# KiCad board AmigaPCI Mainboard.kicad_pcb (continued)
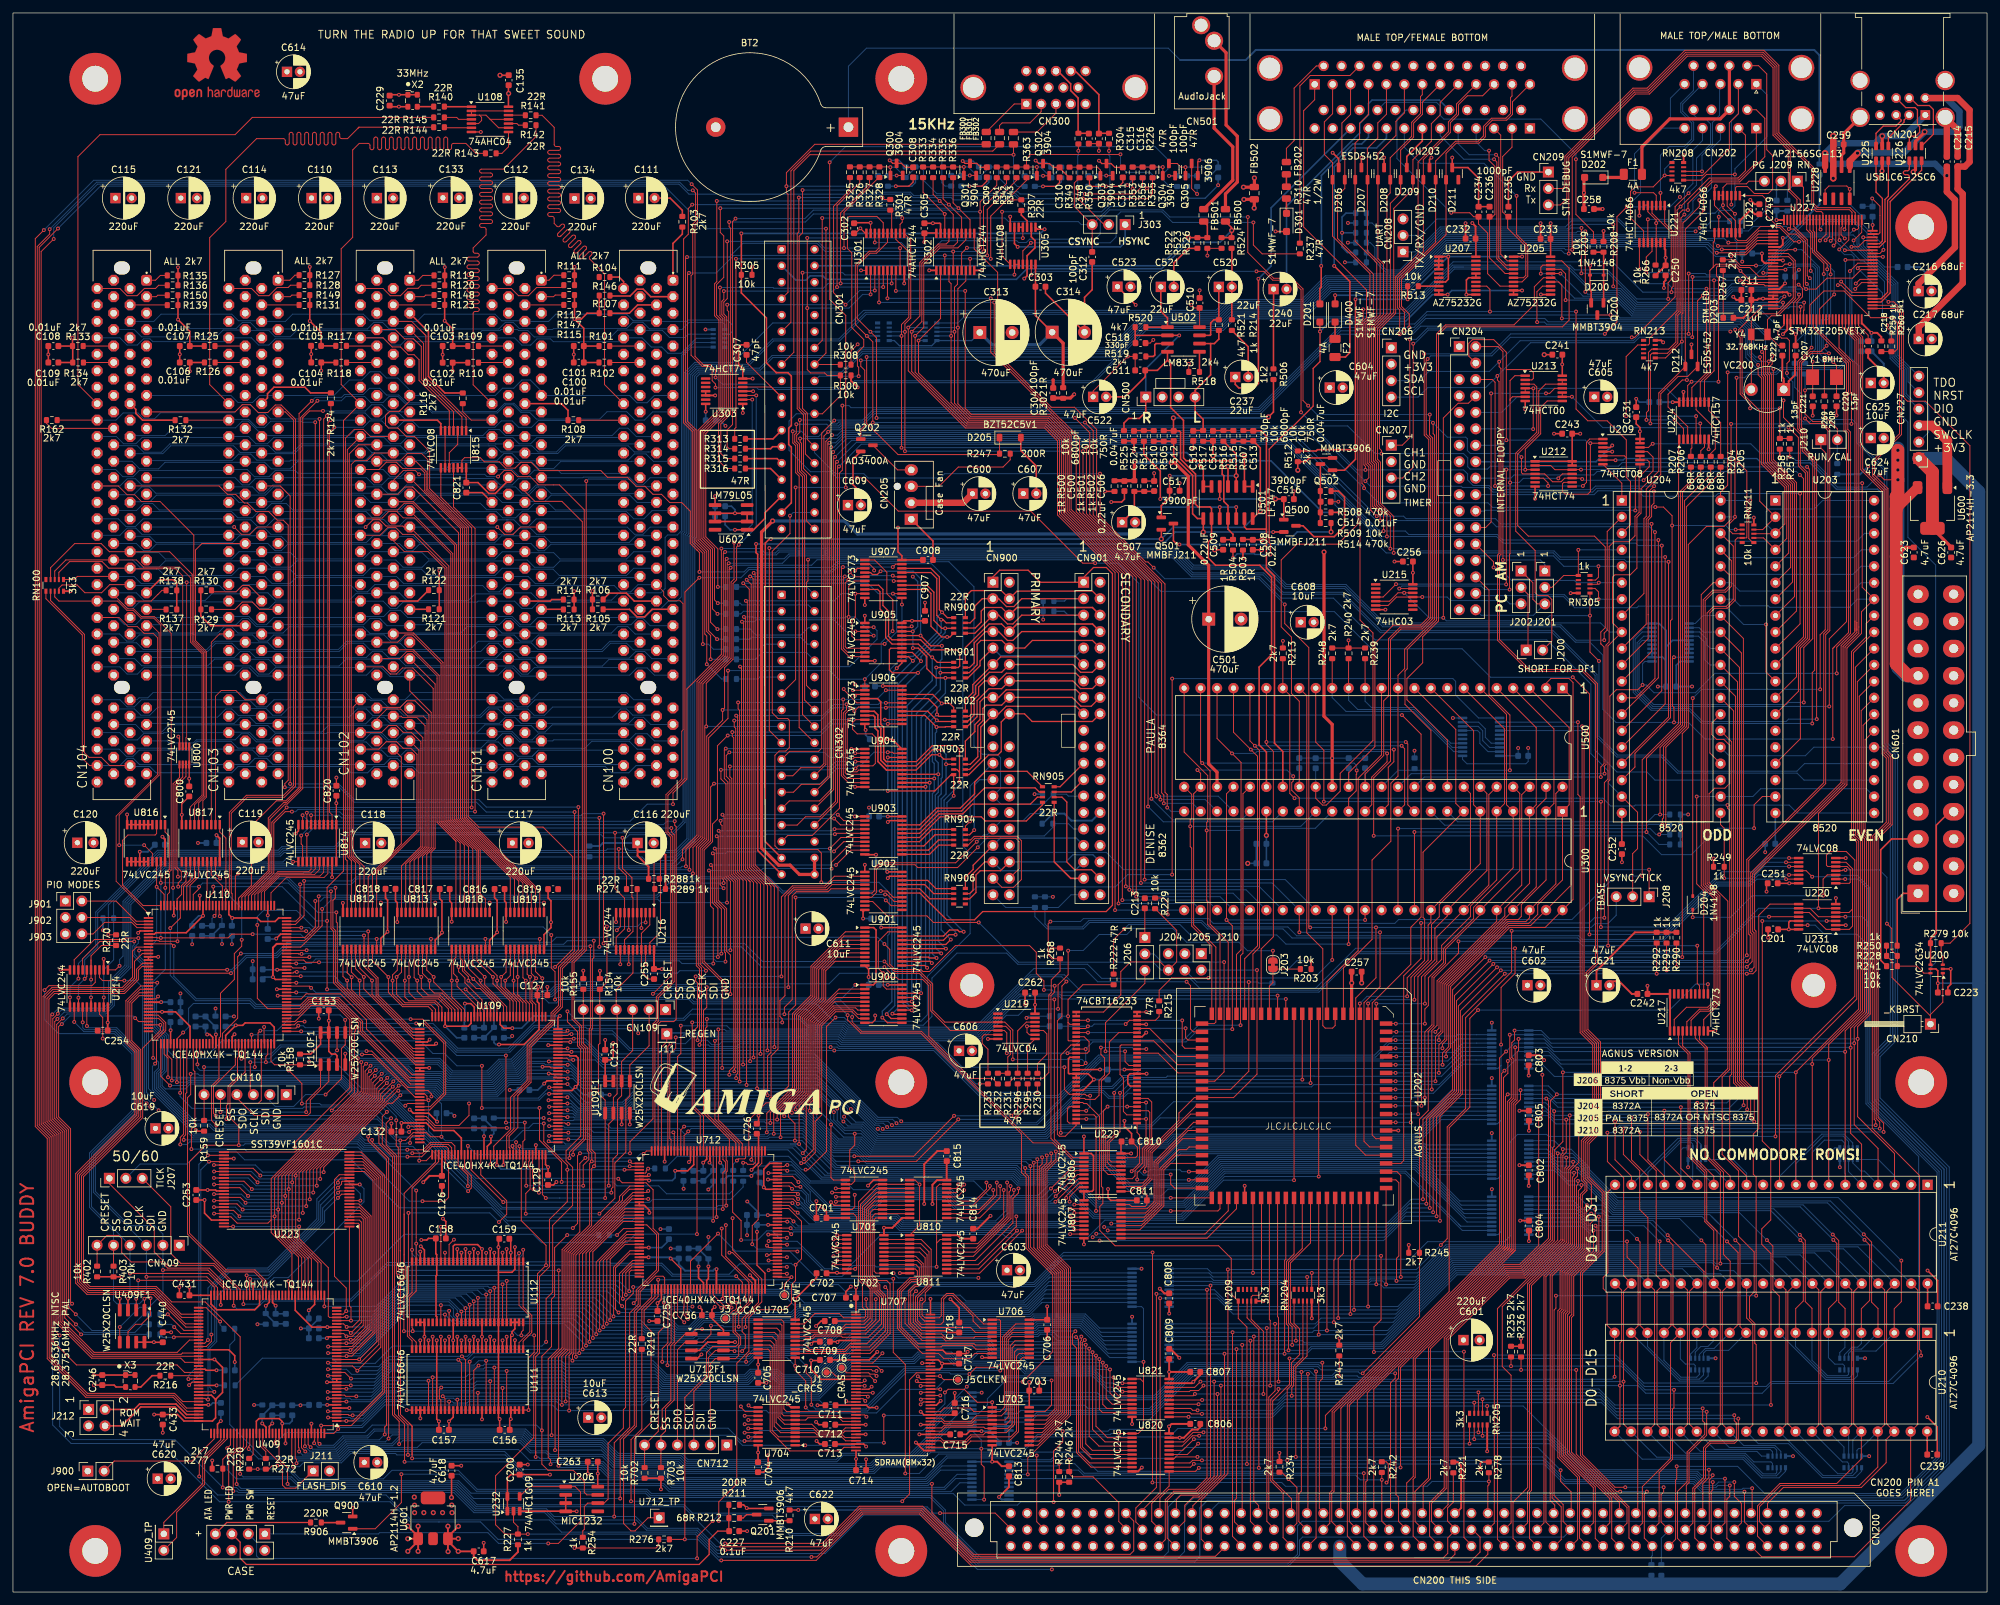
[diagram p0: board, top side]
## Placement (name value [footprint] x y rotation side) (continued)
FB301  80R  [C_0805_2012Metric]  152.33 224.51 270 top
FB302  80R  [C_0805_2012Metric]  154.48 224.5 270 top
FB500  80R  [C_0805_2012Metric]  187.21 212.59 90 top
FB501  80R  [C_0805_2012Metric]  183.86 212.59 90 top
FB502  80R  [C_0805_2012Metric]  191.66 216.01 90 top
G***  LOGO  [Mug]  101.4 78.26 0 top
G***#2  LOGO  [AmigaPCILogo]  117.41 75.66 0 top
G***#3  LOGO  [Agnus_Jumper1]  255.31 74.22 0 top
G***#4  LOGO  [Agnus_Jumper2]  250.28 79.96 0 top
H1  MountingHole_Pad  [MountingHole_4mm_Pad]  12.7 233.68 0 top
H2  MountingHole_Pad  [MountingHole_4mm_Pad]  91.44 233.68 0 top
H3  MountingHole_Pad  [MountingHole_4mm_Pad]  137.16 233.68 0 top
H4  MountingHole_Pad  [MountingHole_4mm_Pad]  294.64 210.82 0 top
H5  MountingHole_Pad  [MountingHole_4mm_Pad]  12.7 78.74 0 top
H6  MountingHole_Pad  [MountingHole_4mm_Pad]  137.16 78.74 0 top
H7  MountingHole_Pad  [MountingHole_4mm_Pad]  294.64 78.74 0 top
H8  MountingHole_Pad  [MountingHole_4mm_Pad]  12.7 6.35 0 top
H9  MountingHole_Pad  [MountingHole_4mm_Pad]  137.16 6.35 0 top
H10  MountingHole_Pad  [MountingHole_4mm_Pad]  294.64 6.35 0 top
H11  MountingHole_Pad  [MountingHole_3.5mm_Pad]  148.02 93.69 0 top
H12  MountingHole_Pad  [MountingHole_3.5mm_Pad]  278.02 93.69 0 top
J1  _CRCS  [TestPoint_Pad_D1.0mm]  125.62 33.92 0 top
J3  _CCAS  [TestPoint_Pad_D1.0mm]  109.99 42.26 0 top
J4  _CWE  [TestPoint_Pad_D1.0mm]  119.11 45.84 0 top
J5  CLKEN  [TestPoint_Pad_D1.0mm]  145.9 32.8 0 top
J6  _CRAS  [TestPoint_Pad_D1.0mm]  127.94 34.64 0 top
J11  _REGEN  [PinHeader_1x01_P2.54mm_Vertical]  100.95 86.19 0 top
J200  SHORT FOR DF1  [PinHeader_1x02_P2.54mm_Vertical]  233.65 145.45 90 top
J201  1-2 AMIGA DRIVES/2-3 PC DRIVES  [PinHeader_1x03_P2.54mm_Vertical]  236.52 157.67 0 top
J202  1-2 AMIGA DRIVES/2-3 PC DRIVES  [PinHeader_1x03_P2.54mm_Vertical]  232.85 157.67 0 top
J203  RAMEN  [SolderJumper-2_P1.3mm_Bridged_RoundedPad1.0x1.5mm]  194.54 96.86 270 top
J206  CLK/VBB  [PinHeader_1x03_P2.54mm_Vertical]  174.77 101.08 0 top
J207  TICK  [PinHeader_1x03_P2.54mm_Vertical]  14.89 63.89 90 top
J208  TBASE  [PinHeader_1x03_P2.54mm_Vertical]  252.62 107.37 270 top
J209  NRM/PRG  [PinHeader_1x03_P2.54mm_Vertical]  275.51 217.86 270 top
J210  RUN/CAL  [PinHeader_1x02_P2.54mm_Vertical]  279.15 177.95 90 top
J211  FLASH_DIS  [PinHeader_2x01_P2.54mm_Vertical]  46.35 18.7 0 top
J212  ROM WAIT  [PinHeader_2x02_P2.54mm_Vertical]  11.68 28.2 0 top
J303  HSYNC/COMPSYNC  [PinHeader_1x03_P2.54mm_Vertical]  171.72 211.16 270 top
J409_TP0  U409_TP  [PinHeader_2x01_P2.54mm_Vertical]  23.29 8.98 270 top
J712_TP0  U712_TP  [PinHeader_1x01_P2.54mm_Vertical]  99.77 11.47 0 top
J900  AUTOBOOT  [PinHeader_2x01_P2.54mm_Vertical]  11.55 18.68 0 top
JATA1  PIO MODES  [PinHeader_2x03_P2.54mm_Vertical]  8.1 106.71 0 top
Q200  MMBT3904  [SOT-23]  244.62 198.14 270 top
Q201  MMBT3906  [SOT-23]  115.77 11.96 180 top
Q202  AO3400A  [SOT-23]  131.84 177.08 0 top
Q300  MMBT3904  [SOT-23]  136.44 219.69 90 top
Q301  MMBT3904  [SOT-23]  147.77 219.67 90 top
Q302  MMBT3904  [SOT-23]  159.05 219.64 90 top
Q303  MMBT3904  [SOT-23]  168.85 219.65 90 top
Q304  MMBT3904  [SOT-23]  178.49 219.65 90 top
Q305  MMBT3906  [SOT-23]  181.99 219.65 90 top
Q500  MMBFJ211  [SOT-23]  197.16 164.64 0 top
Q501  MMBFJ211  [SOT-23]  178.24 164.99 0 top
Q502  MMBT3906  [SOT-23]  202.81 174.18 180 top
Q900  MMBT3906  [SOT-23]  51.52 10.72 180 top
R101  2k7  [R_0603_1608Metric]  91.31 192.41 180 top
R102  2k7  [R_0603_1608Metric]  91.31 189.86 180 top
R103  2k7  [R_0603_1608Metric]  103.35 211.6 90 top
R104  2k7  [R_0603_1608Metric]  91.34 203.06 0 top
R105  2k7  [R_0603_1608Metric]  90.3 151.75 0 top
R106  2k7  [R_0603_1608Metric]  90.3 153.28 0 top
R107  2k7  [R_0603_1608Metric]  91.35 197.48 0 top
R108  2k7  [R_0603_1608Metric]  86.53 180.96 180 top
R109  2k7  [R_0603_1608Metric]  71.06 192.41 180 top
R110  2k7  [R_0603_1608Metric]  71.06 189.84 180 top
R111  2k7  [R_0603_1608Metric]  85.88 203.34 0 top
R112  2k7  [R_0603_1608Metric]  85.88 201.81 180 top
R113  2k7  [R_0603_1608Metric]  85.81 151.73 180 top
R114  2k7  [R_0603_1608Metric]  85.81 153.26 180 top
R115  2k7  [R_0603_1608Metric]  85.88 198.75 180 top
R116  2k7  [R_0603_1608Metric]  69.45 184.33 90 top
R117  2k7  [R_0603_1608Metric]  50.66 192.43 180 top
R118  2k7  [R_0603_1608Metric]  50.69 189.85 180 top
R119  2k7  [R_0603_1608Metric]  65.84 203.31 0 top
R120  2k7  [R_0603_1608Metric]  65.84 201.79 180 top
R121  2k7  [R_0603_1608Metric]  65 151.76 180 top
R122  2k7  [R_0603_1608Metric]  65 154.71 180 top
R123  2k7  [R_0603_1608Metric]  65.84 198.75 180 top
R124  2k7  [R_0603_1608Metric]  49.09 184.34 90 top
R125  2k7  [R_0603_1608Metric]  30.37 192.41 180 top
R126  2k7  [R_0603_1608Metric]  30.39 189.86 180 top
R127  2k7  [R_0603_1608Metric]  45 203.35 0 top
R128  2k7  [R_0603_1608Metric]  45 201.8 180 top
R129  2k7  [R_0603_1608Metric]  29.84 151.74 0 top
R130  2k7  [R_0603_1608Metric]  29.84 154.69 0 top
R131  2k7  [R_0603_1608Metric]  45 198.74 180 top
R132  2k7  [R_0603_1608Metric]  25.87 180.96 180 top
R133  2k7  [R_0603_1608Metric]  10.02 192.41 180 top
R134  2k7  [R_0603_1608Metric]  10.06 189.86 180 top
R135  2k7  [R_0603_1608Metric]  24.66 203.31 0 top
R136  2k7  [R_0603_1608Metric]  24.66 201.79 180 top
R137  2k7  [R_0603_1608Metric]  24.47 151.73 180 top
R138  2k7  [R_0603_1608Metric]  24.47 154.68 180 top
R139  2k7  [R_0603_1608Metric]  24.66 198.72 180 top
R140  22R  [R_0603_1608Metric]  65.78 229.38 180 top
R141  22R  [R_0603_1608Metric]  79.94 228.04 180 top
R142  22R  [R_0603_1608Metric]  79.94 226.51 180 top
R143  22R  [R_0603_1608Metric]  73.78 222.16 0 top
R144  22R  [R_0603_1608Metric]  65.78 226.2 0 top
R145  22R  [R_0603_1608Metric]  65.78 227.71 0 top
R146  2k7  [R_0603_1608Metric]  91.35 200.2 0 top
R147  2k7  [R_0603_1608Metric]  85.88 200.28 180 top
R148  2k7  [R_0603_1608Metric]  65.84 200.27 180 top
R149  2k7  [R_0603_1608Metric]  45 200.27 180 top
R150  2k7  [R_0603_1608Metric]  24.66 200.25 180 top
R154  10k  [R_0603_1608Metric]  90.62 93.91 270 top
R155  10k  [R_0603_1608Metric]  88.06 93.91 270 top
R156  100R  [R_0603_1608Metric]  74.27 86.36 270 bottom
R157  100R  [R_0603_1608Metric]  74.24 72.37 90 bottom
R158  10k  [R_0603_1608Metric]  44.32 82.24 270 top
R159  10k  [R_0603_1608Metric]  29.51 72 90 top
R160  100R  [R_0603_1608Metric]  32.27 102.1 270 bottom
R161  100R  [R_0603_1608Metric]  31.27 88.1 90 bottom
R162  2k7  [R_0603_1608Metric]  6 180.97 180 top
R201  470R  [R_0603_1608Metric]  278.94 219.69 270 bottom
R202  10k  [R_0603_1608Metric]  273.97 214.08 90 bottom
R203  10k  [R_0603_1608Metric]  199.61 96.2 180 top
R204  68R  [R_0603_1608Metric]  262.14 174.53 270 top
R205  68R  [R_0603_1608Metric]  263.67 174.52 270 top
R206  68R  [R_0603_1608Metric]  260.6 174.53 270 top
R207  68R  [R_0603_1608Metric]  259.07 174.54 270 top
R208  10k  [R_0603_1608Metric]  245.57 207.72 90 top
R209  10k  [R_0603_1608Metric]  244.02 207.72 270 top
R210  4k7  [R_0603_1608Metric]  119.91 11.84 270 top
R211  68R  [R_0603_1608Metric]  111.35 11.44 0 top
R212  200R  [R_0603_1608Metric]  111.35 13.46 180 top
R213  2k7  [R_0603_1608Metric]  196.07 144.95 270 top
R214  1k  [R_0603_1608Metric]  188.2 195.64 270 top
R215  47R  [R_0603_1608Metric]  176.97 90.47 270 top
R216  22R  [R_0603_1608Metric]  23.53 33.41 180 top
R217  22R  [R_0603_1608Metric]  33.49 31.92 180 bottom
R218  68R  [R_0603_1608Metric]  91.28 55.13 180 bottom
R219  22R  [R_0603_1608Metric]  97.1 38.31 270 top
R220  22R  [R_0603_1608Metric]  36.47 19.81 270 top
R221  2k7  [R_0603_1608Metric]  222.39 19.24 270 top
R222  47R  [R_0603_1608Metric]  169.94 94.6 270 top
R223  10k  [R_0603_1608Metric]  194.47 94.86 270 bottom
R224  1k  [R_0603_1608Metric]  281.67 173.42 90 bottom
R225  1k  [R_0603_1608Metric]  216.41 127.97 270 bottom
R226  47R  [R_0603_1608Metric]  169.23 224.44 270 top
R227  1k  [R_0603_1608Metric]  77.97 8.12 270 top
R228  10k  [R_0603_1608Metric]  290.12 98.23 0 top
R229  10k  [R_0603_1608Metric]  176.34 106.35 270 top
R230  47R  [R_0603_1608Metric]  158.18 79.28 90 top
R231  47R  [R_0603_1608Metric]  153.6 79.29 90 top
R232  47R  [R_0603_1608Metric]  152.07 79.29 90 top
R233  47R  [R_0603_1608Metric]  150.54 79.29 90 top
R234  2k7  [R_0603_1608Metric]  195.55 19.33 270 top
R235  2k7  [R_0603_1608Metric]  231.3 37.12 270 top
R236  2k7  [R_0603_1608Metric]  232.85 37.12 270 top
R237  47R  [R_0603_1608Metric]  198.7 207.46 90 top
R238  47R  [R_0603_1608Metric]  160.86 88.92 0 bottom
R239  2k7  [R_0603_1608Metric]  208.77 144.95 270 top
R240  2k7  [R_0603_1608Metric]  206.22 144.95 270 top
R241  10k  [R_0603_1608Metric]  290.12 96.65 0 top
R242  2k7  [R_0603_1608Metric]  211.35 19.3 270 top
R243  2k7  [R_0603_1608Metric]  204.78 37.29 270 top
R244  2k7  [R_0603_1608Metric]  161.54 17.78 90 top
R245  2k7  [R_0603_1608Metric]  216.33 52.39 0 top
R246  2k7  [R_0603_1608Metric]  163.08 17.78 90 top
R247  200R  [R_0603_1608Metric]  153.15 175.78 180 top
R248  2k7  [R_0603_1608Metric]  203.69 144.95 270 top
R249  1k  [R_0603_1608Metric]  263.39 111.99 0 top
R250  1k  [R_0603_1608Metric]  290.1 99.81 0 top
R251  68R  [R_0603_1608Metric]  112.74 64.26 270 bottom
R252  68R  [R_0603_1608Metric]  111.21 64.27 270 bottom
R253  68R  [R_0603_1608Metric]  99.91 65.41 180 bottom
R254  1k  [R_0603_1608Metric]  87.98 7.62 270 top
R255  1k  [R_0603_1608Metric]  208.15 211.41 0 bottom
R256  1k  [R_0603_1608Metric]  208.15 212.93 180 bottom
R257  1k  [R_0603_1608Metric]  274.33 177.31 90 top
R258  1k  [R_0603_1608Metric]  272.81 177.31 270 top
R259  1k  [R_0603_1608Metric]  288.48 192.37 270 top
R260  5k1  [R_0603_1608Metric]  290.02 192.36 90 top
R261  5k1  [R_0603_1608Metric]  208.15 205.33 0 bottom
R262  1k  [R_0603_1608Metric]  208.15 206.85 180 bottom
R263  1k  [R_0603_1608Metric]  208.15 208.37 0 bottom
R264  1k  [R_0603_1608Metric]  208.15 209.89 180 bottom
R265  10k  [R_0603_1608Metric]  285.59 213.16 90 bottom
R266  10k  [R_0603_1608Metric]  253.62 204.08 90 top
R267  2k2  [R_0603_1608Metric]  264 204.9 90 top
R268  1k  [R_0603_1608Metric]  161.67 98.61 90 top
R269  220R  [R_0603_1608Metric]  279.69 183.88 270 top
R270  22R  [R_0603_1608Metric]  15.92 100.66 90 top
R271  22R  [R_0603_1608Metric]  95.56 108.55 180 top
R272  22R  [R_0603_1608Metric]  39.04 19.81 270 top
R273  22R  [R_0603_1608Metric]  21.88 42.89 180 bottom
R274  22R  [R_0603_1608Metric]  21.88 41.34 180 bottom
R275  22R  [R_0603_1608Metric]  21.88 39.79 180 bottom
R276  2k7  [R_0603_1608Metric]  100.53 8.13 0 top
R277  2k7  [R_0603_1608Metric]  31.58 19.06 0 top
R278  2k7  [R_0603_1608Metric]  227.88 19.25 270 top
R279  10k  [R_0603_1608Metric]  296.89 100.2 180 top
R280  2k2  [R_0603_1608Metric]  252.98 3.4 270 bottom
R281  2k2  [R_0603_1608Metric]  254.51 3.4 90 bottom
R282  22R  [R_0603_1608Metric]  265.88 211.69 0 bottom
R283  22R  [R_0603_1608Metric]  265.88 210.18 0 bottom
R284  22R  [R_0603_1608Metric]  276.7 188.91 90 bottom
R285  22R  [R_0603_1608Metric]  275.11 188.91 90 bottom
R286  1k  [R_0603_1608Metric]  89 114.37 270 bottom
R287  1k  [R_0603_1608Metric]  14.72 104.04 0 bottom
R288  1k  [R_0603_1608Metric]  98.97 110.13 0 top
R289  1k  [R_0603_1608Metric]  99.93 108.57 180 top
R290  1k  [R_0603_1608Metric]  256.84 101.04 270 top
R291  1k  [R_0603_1608Metric]  255.31 101.04 270 top
R292  1k  [R_0603_1608Metric]  253.79 101.04 270 top
R293  22R  [R_0603_1608Metric]  33.41 40.65 0 bottom
R294  47R  [R_0603_1608Metric]  160.85 87.37 0 bottom
R295  47R  [R_0603_1608Metric]  156.66 79.29 90 top
R296  47R  [R_0603_1608Metric]  155.13 79.29 90 top
R300  10k  [R_0603_1608Metric]  128.57 187.87 0 top
R301  47R  [R_0603_1608Metric]  135.45 214.21 270 top
R302  1R  [R_0603_1608Metric]  162.15 185.16 270 top
R303  1k  [R_0603_1608Metric]  256.63 120.07 180 bottom
R304  47R  [R_0603_1608Metric]  164.51 224.44 270 top
R305  10k  [R_0603_1608Metric]  113.28 203.4 0 top
R307  22R  [R_0603_1608Metric]  155.69 214.16 90 top
R308  10k  [R_0603_1608Metric]  128.57 189.53 0 top
R309  1k  [R_0603_1608Metric]  256.63 116.98 180 bottom
R310  47R 0.5W  [R_0805_2012Metric]  196.62 216.1 270 top
R311  1k  [R_0603_1608Metric]  256.63 118.52 180 bottom
R312  1k  [R_0603_1608Metric]  256.63 115.44 180 bottom
R313  47R  [R_0603_1608Metric]  112.26 178.07 180 top
R314  47R  [R_0603_1608Metric]  112.26 176.55 180 top
R315  47R  [R_0603_1608Metric]  112.26 175.02 180 top
R316  47R  [R_0603_1608Metric]  112.26 173.49 180 top
R317  47R  [R_0603_1608Metric]  110.9 155.21 180 bottom
R318  47R  [R_0603_1608Metric]  110.88 151.05 180 bottom
R319  47R  [R_0603_1608Metric]  110.88 152.7 180 bottom
R320  47R  [R_0603_1608Metric]  110.88 148.7 180 bottom
R321  47R  [R_0603_1608Metric]  110.88 145.59 180 bottom
R322  47R  [R_0603_1608Metric]  110.88 147.14 180 bottom
R323  47R  [R_0603_1608Metric]  110.88 144.03 180 bottom
R324  47R  [R_0603_1608Metric]  110.88 140.99 180 bottom
R325  1k  [R_0603_1608Metric]  129.23 219.25 90 top
R326  2k  [R_0603_1608Metric]  130.74 219.25 90 top
R327  3k9  [R_0603_1608Metric]  132.26 219.25 90 top
R328  8k2  [R_0603_1608Metric]  133.78 219.25 90 top
R329  470R  [R_0603_1608Metric]  137.83 219.25 270 bottom
R330  390R  [R_0603_1608Metric]  139.35 219.25 270 bottom
R331  75R  [R_0603_1608Metric]  135.1 217.91 270 bottom
R332  75R  [R_0603_1608Metric]  133.57 217.91 270 bottom
R333  1k  [R_0603_1608Metric]  140.52 219.23 90 top
R334  2k  [R_0603_1608Metric]  142.07 219.23 90 top
R335  3k9  [R_0603_1608Metric]  143.61 219.23 90 top
R336  8k2  [R_0603_1608Metric]  145.16 219.23 90 top
R337  470R  [R_0603_1608Metric]  149.15 219.23 270 bottom
R338  390R  [R_0603_1608Metric]  150.68 219.23 270 bottom
R339  75R  [R_0603_1608Metric]  146.42 217.93 270 bottom
R340  75R  [R_0603_1608Metric]  144.86 217.94 270 bottom
R341  1k  [R_0603_1608Metric]  151.9 219.23 90 top
R342  2k  [R_0603_1608Metric]  153.41 219.23 90 top
R343  3k9  [R_0603_1608Metric]  154.95 219.23 90 top
R344  470R  [R_0603_1608Metric]  160.32 219.2 270 bottom
R345  390R  [R_0603_1608Metric]  161.85 219.2 270 bottom
R346  75R  [R_0603_1608Metric]  157.78 217.88 270 bottom
R347  75R  [R_0603_1608Metric]  156.21 217.88 270 bottom
R348  220R  [R_0603_1608Metric]  164.67 219.21 90 top
R349  1k  [R_0603_1608Metric]  163.13 219.2 90 top
R350  27k  [R_0603_1608Metric]  166.21 219.21 270 top
R351  150R  [R_0603_1608Metric]  167.55 217.89 270 bottom
R352  75R  [R_0603_1608Metric]  166.02 217.89 270 bottom
R353  37k4  [R_0603_1608Metric]  172.88 219.21 90 top
R354  13k3  [R_0603_1608Metric]  175.95 219.21 90 bottom
R355  6k04  [R_0603_1608Metric]  175.95 219.21 90 top
R356  37k4  [R_0603_1608Metric]  174.41 219.21 90 top
R357  91k  [R_0603_1608Metric]  172.88 219.21 90 bottom
R358  19k6  [R_0603_1608Metric]  174.42 219.21 270 bottom
R359  270R  [R_0603_1608Metric]  184.53 219.2 90 bottom
R360  36R  [R_0603_1608Metric]  182.83 217.87 90 bottom
R361  36R  [R_0603_1608Metric]  181.29 217.87 270 bottom
R362  75R  [R_0603_1608Metric]  179.75 217.87 270 bottom
R363  8k2  [R_0603_1608Metric]  156.49 219.23 90 top
R400  100R  [R_0603_1608Metric]  38.5 28.06 90 bottom
R401  100R  [R_0603_1608Metric]  39.03 42.19 90 bottom
R402  10k  [R_0603_1608Metric]  12.99 49.5 90 top
R403  10k  [R_0603_1608Metric]  15.53 49.5 90 top
R500  1R  [R_0603_1608Metric]  170.08 170.78 90 top
R501  1k  [R_0603_1608Metric]  173.14 170.78 270 top
R502  1k  [R_0603_1608Metric]  174.67 170.78 90 top
R503  1R  [R_0603_1608Metric]  189.91 161.71 90 top
R504  1R  [R_0603_1608Metric]  188.37 161.72 270 top
R505  750R  [R_0603_1608Metric]  177.68 178.52 90 top
R506  1k2  [R_0603_1608Metric]  194.62 188.05 270 top
R507  750R  [R_0603_1608Metric]  189.98 178.54 90 top
R508  470k  [R_0603_1608Metric]  202.68 170.01 180 top
R509  10k  [R_0603_1608Metric]  202.68 166.72 0 top
R510  10k  [R_0603_1608Metric]  176.14 178.52 90 top
R511  10k  [R_0603_1608Metric]  174.61 178.52 270 top
R512  2k7  [R_0603_1608Metric]  198.38 175.38 90 top
R513  10k  [R_0603_1608Metric]  216.17 201.65 180 top
R514  470k  [R_0603_1608Metric]  202.68 165.07 180 top
R515  10k  [R_0603_1608Metric]  188.44 178.54 90 top
R516  10k  [R_0603_1608Metric]  186.89 178.54 270 top
R517  10k  [R_0603_1608Metric]  183.76 178.54 90 top
R518  2k4  [R_0603_1608Metric]  182.38 188.41 180 top
R519  2k4  [R_0603_1608Metric]  174.1 190.8 180 top
R520  4k7  [R_0603_1608Metric]  174.1 195.32 0 top
R521  4k7  [R_0603_1608Metric]  186.19 195.64 90 top
R522  1k  [R_0603_1608Metric]  182.88 208.32 270 top
R523  1k  [R_0603_1608Metric]  184.41 208.32 90 top
R524  1k  [R_0603_1608Metric]  188.15 208.32 270 top
R525  10k  [R_0603_1608Metric]  171.54 178.52 90 top
R526  1k  [R_0603_1608Metric]  186.61 208.32 90 top
R700  100R  [R_0603_1608Metric]  108.12 64.27 270 bottom
R701  100R  [R_0603_1608Metric]  107.38 52.27 270 bottom
R702  10k  [R_0603_1608Metric]  97.53 18.4 90 top
R703  10k  [R_0603_1608Metric]  100.05 18.4 90 top
R900  1k  [R_0603_1608Metric]  159.8 123.21 0 bottom
R901  10k  [R_0603_1608Metric]  159.73 120.2 0 bottom
R902  10k  [R_0603_1608Metric]  159.73 118.65 180 bottom
R903  10k  [R_0603_1608Metric]  157.79 106.53 90 bottom
R904  10k  [R_0603_1608Metric]  159.34 106.53 90 bottom
R906  220R  [R_0603_1608Metric]  46.78 10.74 180 top
R911  10k  [R_0603_1608Metric]  159.89 151.45 180 bottom
R912  10k  [R_0603_1608Metric]  159.89 153.03 180 bottom
REF**  -  [OSHW-Logo2_14.6x12mm_Copper]  31.52 235.96 0 top
RN100  3k3  [R_Array_Convex_5x0603]  6.45 155.45 90 top
RN101  3k3  [R_Array_Convex_5x0603]  109.02 193.6 180 bottom
RN200  3k3  [R_Array_Convex_5x0603]  260.38 35.2 270 bottom
RN201  3k3  [R_Array_Convex_5x0603]  283.42 35.2 270 bottom
RN202  3k3  [R_Array_Convex_5x0603]  260 67.7 90 bottom
RN203  3k3  [R_Array_Convex_5x0603]  283.42 67.7 90 bottom
RN204  3k3  [R_Array_Convex_5x0603]  199.17 45.84 90 top
RN205  3k3  [R_Array_Convex_5x0603]  226.26 26.7 270 top
RN206  3k3  [R_Array_Convex_5x0603]  272.32 20.09 270 bottom
RN207  3k3  [R_Array_Convex_5x0603]  284.07 20.09 270 bottom
RN208  4k7  [R_Array_Convex_5x0603]  257.05 219.38 0 top
RN209  3k3  [R_Array_Convex_5x0603]  190.55 45.83 90 top
RN211  10k  [R_Array_Convex_5x0603]  267.89 163.42 0 top
RN213  4k7  [R_Array_Convex_5x0603]  252.67 191.93 0 top
RN301  4k7  [R_Array_Convex_5x0603]  141.75 194.61 180 bottom
RN302  4k7  [R_Array_Convex_5x0603]  134.4 194.61 0 bottom
RN305  1k  [R_Array_Convex_5x0603]  242.59 155.62 180 top
RN900  22R  [R_Array_Convex_4x0603]  146.15 149.26 0 top
RN901  22R  [R_Array_Convex_4x0603]  146.15 142.36 0 top
RN902  22R  [R_Array_Convex_4x0603]  146.15 134.83 0 top
RN903  22R  [R_Array_Convex_4x0603]  146.15 127.42 0 top
RN904  22R  [R_Array_Convex_4x0603]  146.15 116.54 0 top
RN905  22R  [R_Array_Convex_4x0603]  159.86 123.15 0 top
RN906  22R  [R_Array_Convex_4x0603]  146.15 107.45 0 top
U108  74AHC04  [TSSOP-14_4.4x5mm_P0.65mm]  73.65 227.41 0 top
U109  ICE40HX4K-TQ144  [LQFP-144_20x20mm_P0.5mm]  73.48 78.19 0 top
U109F1  W25X20CLSN  [SOIC-8_3.9x4.9mm_P1.27mm]  93.34 76.43 90 top
U110  ICE40HX4K-TQ144  [LQFP-144_20x20mm_P0.5mm]  31.59 95.34 0 top
U110F1  W25X20CLSN  [SOIC-8_3.9x4.9mm_P1.27mm]  49.4 83.92 90 top
U111  74LVC16646  [SSOP-56_7.5x18.5mm_P0.635mm]  70.2 32.8 270 top
U112  74LVC16646  [SSOP-56_7.5x18.5mm_P0.635mm]  70.2 46.35 270 top
U200  74LVC2G34  [SOT-363_SC-70-6]  297.02 96.22 180 top
U201  74LVC245  [TSSOP-20_4.4x6.5mm_P0.65mm]  255.93 146.63 0 bottom
U202  Agnus_MULTI  [PLCC-84_SMD-Socket]  197.8 75.08 270 top
U203  8520  [DIP-40_W15.24mm_Socket]  272.12 168.56 0 top
U204  8520  [DIP-40_W15.24mm_Socket]  248.41 168.56 0 top
U205  AZ75232G  [TSSOP-20_4.4x6.5mm_P0.65mm]  234.55 203.28 0 top
U206  MIC1232  [SOIC-8_3.9x4.9mm_P1.27mm]  87.82 14.37 0 top
U207  AZ75232G  [TSSOP-20_4.4x6.5mm_P0.65mm]  223.02 203.28 0 top
U208  74LVC574  [TSSOP-20_4.4x6.5mm_P0.65mm]  226.68 132.05 0 bottom
U209  74HCT08  [TSSOP-14_4.4x5mm_P0.65mm]  248.35 176.1 0 top
U210  AT27C4096  [DIP-40_W15.24mm_Socket]  295.55 40.03 270 top
U211  AT27C4096  [DIP-40_W15.24mm_Socket]  295.62 62.88 270 top
U212  74HCT74  [TSSOP-14_4.4x5mm_P0.65mm]  237.88 172.66 0 top
U213  74HCT00  [TSSOP-14_4.4x5mm_P0.65mm]  236.35 185.88 0 top
U214  74LVC244  [TSSOP-20_4.4x6.5mm_P0.65mm]  11.73 93.2 270 top
U215  74HC03  [TSSOP-14_4.4x5mm_P0.65mm]  213.27 153.65 0 top
U216  74LVC244  [TSSOP-20_4.4x6.5mm_P0.65mm]  96.06 102.04 270 top
U217  74HCT273  [TSSOP-20_4.4x6.5mm_P0.65mm]  258.77 89.5 90 top
U219  74LVC04  [TSSOP-14_4.4x5mm_P0.65mm]  154.94 87.36 0 top
U220  74LVC08  [TSSOP-14_4.4x5mm_P0.65mm]  278.58 111.39 180 top
U221  74HCT4066  [TSSOP-14_4.4x5mm_P0.65mm]  253.07 211.24 270 top
U222  74HCT4066  [TSSOP-14_4.4x5mm_P0.65mm]  264.67 212.77 270 top
U223  SST39VF1601C  [TSOP-I-48_18.4x12mm_P0.5mm]  42.26 62.19 180 top
U224  74HCT157  [TSSOP-16_4.4x5mm_P0.65mm]  259.55 180.88 90 top
U225  USBLC6-2SC6  [SOT-23-6]  288.61 222.16 90 top
U226  USBLC6-2SC6  [SOT-23-6]  293.75 222.16 90 top
U227  STM32F205VETx  [LQFP-100_14x14mm_P0.5mm]  279.45 204.2 0 top
U228  AP2156SG-13  [SOIC-8_3.9x4.9mm_P1.27mm]  281.69 217.62 90 top
U229  74CBT16233  [SSOP-56_7.5x18.5mm_P0.635mm]  168.86 80.99 180 top
U231  74LVC08  [TSSOP-14_4.4x5mm_P0.65mm]  278.57 104.28 180 top
U232  74AHC1G09  [SOT-23-5]  77.29 13.63 90 top
U300  8362  [DIP-48_W15.24mm]  239.25 120.54 270 top
U301  74AHCT244  [TSSOP-20_4.4x6.5mm_P0.65mm]  134.7 206.95 90 top
U302  74AHCT244  [TSSOP-20_4.4x6.5mm_P0.65mm]  145.5 206.95 90 top
U303  74HCT74  [TSSOP-14_4.4x5mm_P0.65mm]  109.82 185.43 180 top
U305  74HCT08  [TSSOP-14_4.4x5mm_P0.65mm]  155.93 207.89 270 top
U409  ICE40HX4K-TQ144  [LQFP-144_20x20mm_P0.5mm]  39.33 35.16 180 top
U409F1  W25X20CLSN  [SOIC-8_3.9x4.9mm_P1.27mm]  18.4 41.06 270 top
U500  8364  [DIP-48_W15.24mm]  239.25 139.58 270 top
U501  LF347  [SOIC-14_3.9x8.7mm_P1.27mm]  187.6 168.24 270 top
U502  LM833  [SOIC-8_3.9x4.9mm_P1.27mm]  180.73 193.42 0 top
U600  AP2114H-3.3  [SOT-223-3_TabPin2]  296.37 167.4 270 top
U601  AP2114H-1.2  [SOT-223-3_TabPin2]  64.86 11.39 90 top
U602  LM79L05  [SOIC-8_3.9x4.9mm_P1.27mm]  110.88 165.94 180 top
U701  74LVC245  [TSSOP-20_4.4x6.5mm_P0.65mm]  131.4 60.7 180 top
U702  74LVC245  [TSSOP-20_4.4x6.5mm_P0.65mm]  131.61 52.17 180 top
U703  74LVC245  [TSSOP-20_4.4x6.5mm_P0.65mm]  154.05 25.59 0 top
U704  74LVC245  [TSSOP-20_4.4x6.5mm_P0.65mm]  117.91 25.59 180 top
U705  74LVC245  [TSSOP-20_4.4x6.5mm_P0.65mm]  117.91 39.12 180 top
U706  74LVC245  [TSSOP-20_4.4x6.5mm_P0.65mm]  154.05 39.12 0 top
U707  SDRAM(8Mx32)  [TSOP-II-86]  135.91 32.35 0 top
U712  ICE40HX4K-TQ144  [LQFP-144_20x20mm_P0.5mm]  107.37 57.45 0 top
U712F1  W25X20CLSN  [SOIC-8_3.9x4.9mm_P1.27mm]  107.22 37.95 0 top
U800  74LVC2T45  [VSSOP-8_2.3x2mm_P0.5mm]  26.46 129.19 270 top
U802  74LVC245  [TSSOP-20_4.4x6.5mm_P0.65mm]  231.18 58.12 0 bottom
U803  74LVC245  [TSSOP-20_4.4x6.5mm_P0.65mm]  231.18 66.76 0 bottom
U804  74LVC245  [TSSOP-20_4.4x6.5mm_P0.65mm]  175.65 38.49 0 bottom
U805  74LVC245  [TSSOP-20_4.4x6.5mm_P0.65mm]  175.65 47 0 bottom
U806  74LVC245  [TSSOP-20_4.4x6.5mm_P0.65mm]  168.22 64.8 0 top
U807  74LVC245  [TSSOP-20_4.4x6.5mm_P0.65mm]  168.22 57.56 0 top
U808  74LVC245  [TSSOP-20_4.4x6.5mm_P0.65mm]  150.92 27.88 0 bottom
U809  74LVC245  [TSSOP-20_4.4x6.5mm_P0.65mm]  150.93 17.2 0 bottom
U810  74LVC245  [TSSOP-20_4.4x6.5mm_P0.65mm]  141.31 60.7 0 top
U811  74LVC245  [TSSOP-20_4.4x6.5mm_P0.65mm]  141.31 52.17 0 top
U812  74LVC245  [TSSOP-20_4.4x6.5mm_P0.65mm]  53.88 102.09 270 top
U813  74LVC245  [TSSOP-20_4.4x6.5mm_P0.65mm]  62.26 102.09 270 top
U814  74LVC245  [TSSOP-20_4.4x6.5mm_P0.65mm]  47 115.63 270 top
U815  74LVC08  [TSSOP-14_4.4x5mm_P0.65mm]  68.02 176.46 270 top
U816  74LVC245  [TSSOP-20_4.4x6.5mm_P0.65mm]  20.56 115.63 270 top
U817  74LVC245  [TSSOP-20_4.4x6.5mm_P0.65mm]  29 115.63 270 top
U818  74LVC245  [TSSOP-20_4.4x6.5mm_P0.65mm]  70.67 102.09 270 top
U819  74LVC245  [TSSOP-20_4.4x6.5mm_P0.65mm]  79.06 102.09 270 top
U820  74LVC245  [TSSOP-20_4.4x6.5mm_P0.65mm]  175.65 21.56 0 top
U821  74LVC245  [TSSOP-20_4.4x6.5mm_P0.65mm]  175.65 29.98 0 top
U822  74LVC245  [TSSOP-20_4.4x6.5mm_P0.65mm]  231.18 75.23 0 bottom
U823  74LVC245  [TSSOP-20_4.4x6.5mm_P0.65mm]  231.18 83.79 0 bottom
U900  74LVC245  [TSSOP-20_4.4x6.5mm_P0.65mm]  134.39 90.83 0 top
U901  74LVC245  [TSSOP-20_4.4x6.5mm_P0.65mm]  134.39 99.67 0 top
U902  74LVC245  [TSSOP-20_4.4x6.5mm_P0.65mm]  134.39 108.26 0 top
U903  74LVC245  [TSSOP-20_4.4x6.5mm_P0.65mm]  134.39 116.84 0 top
U904  74LVC245  [TSSOP-20_4.4x6.5mm_P0.65mm]  134.39 127.25 0 top
U905  74LVC245  [TSSOP-20_4.4x6.5mm_P0.65mm]  134.39 146.72 0 top
U906  74LVC373  [TSSOP-20_4.4x6.5mm_P0.65mm]  134.39 136.98 0 top
U907  74LVC373  [TSSOP-20_4.4x6.5mm_P0.65mm]  134.39 156.45 0 top
VC200  2-5pF  [TrimmerCap]  270.9 185.7 180 top
X2  33MHz  [Oscillator_SMD_ECS_2520MV-xxx-xx-4Pin_2.5x2.0mm]  61.7 230.28 0 top
X3  28.63636MHz  [Oscillator_SMD_ECS_2520MV-xxx-xx-4Pin_2.5x2.0mm]  18.12 32.59 0 top
Y1  8MHz  [Crystal_SMD_5032-2Pin_5.0x3.2mm]  279.71 187.59 180 top
Y4  32.768KHz  [Crystal_SMD_3215-2Pin_3.2x1.5mm]  269.65 194.2 0 top

## Library data of the parts
AGNUS1 JATA1 = -: LCSC: C124384; ki_fp_filters: Connector*:*_2x??_*
BT2 = -: LCSC: C238065
C100-C109 C210 C514 = -: LCSC: C57112; ki_fp_filters: C_*
C110-C121 C133 C134 C601 = -: LCSC: C141282; ki_fp_filters: CP_*
C123-C132 C135 C137 C139-C148 C150 C152 C153 C156-C159 C200 C201 C206-C209 C211 C213-C215 C218 C219 C223-C233 C238 C239 C241-C243 C246 C249-C259 C261-C263 C267 C302 C303 C305 C306 C308-C311 C317 C420 C421 C429-C436 C438 C440 C500 C510 C511 C615 C616 C701-C728 C730 C736 C800 C802-C823 C900-C902 C904-C908 = -: LCSC: C14663; ki_fp_filters: C_*
C136 C138 C149 C151 C437 C439 C729 C735 = -: LCSC: C96446; ki_fp_filters: C_*
C202-C205 C512 C513 = -: LCSC: C1622; ki_fp_filters: C_*
C212 = -: LCSC: C15849; ki_fp_filters: C_*
C216 C217 = -: LCSC: C439891; ki_fp_filters: CP_*
C220 C221 = -: LCSC: C34243; ki_fp_filters: C_*
C222 = -: LCSC: C282071; ki_fp_filters: C_*
C234-C236 = -: LCSC: C1588; ki_fp_filters: C_*
C237 C240 = -: LCSC: C88755; ki_fp_filters: CP_*
C300 C506 C508 C509 = -: LCSC: C21120; ki_fp_filters: C_*
C301 C304 C312 C315 C316 = -: LCSC: C14858; ki_fp_filters: C_*
C307 = -: LCSC: C1671; ki_fp_filters: C_*
C313 C314 C501 = -: LCSC: C59353; ki_fp_filters: CP_*
C507 = -: LCSC: C88759; ki_fp_filters: CP_*
C515 C524 = -: LCSC: C1631; ki_fp_filters: C_*
C516 C517 = -: LCSC: C170145; ki_fp_filters: C_*
C518 C519 = -: LCSC: C1664; ki_fp_filters: C_*
C520 C521 = -: Volts: 16V; LCSC: C88755; ki_fp_filters: CP_*
C522 C523 C600 C602-C607 C609 C610 C614 C620-C622 C624 = -: LCSC: C88724; ki_fp_filters: CP_*
C608 C611 C613 C619 C625 = -: LCSC: C88726; ki_fp_filters: CP_*
C617 C618 C623 C626 = -: LCSC: C19666; ki_fp_filters: C_*
CN100-CN104 = -: LCSC: C573970
CN109 CN110 CN409 CN712 = -: LCSC: C37208; ki_fp_filters: Connector*:*_1x??_*
CN200 = -: Description: DIN41612 connector, three row, 03x50; LCSC: C3646680; ki_fp_filters: DIN41612*2x*
CN201 = -: LCSC: C5366339; ki_fp_filters: USB*
CN202 = -: LCSC: C5431655; ki_fp_filters: DSUB*Male*
CN203 = -: LCSC: C17554757; ki_fp_filters: DSUB*Female*
CN204 = -: LCSC: C2685134; ki_fp_filters: Connector*:*_2x??_*
CN205 = -: Description: Generic connector, single row, 01x04, script generated; PartNumber: Molex 0470531000 or 0470533000; LCSC: C240840; ki_fp_filters: Connector*:*_1x??_*
CN206 CN207 = -: Description: Generic connector, single row, 01x04, script generated (kicad-library-utils/schlib/autogen/connector/); LCSC: C124378; ki_fp_filters: Connector*:*_1x??_*
CN208 CN209 = -: Description: Generic connector, single row, 01x03, script generated (kicad-library-utils/schlib/autogen/connector/); LCSC: C49257; ki_fp_filters: Connector*:*_1x??_*
CN210 = -: LCSC: C42419937; ki_fp_filters: Connector*:*_1x??_*
CN227 = -: Description: Generic connector, single row, 01x06, script generated (kicad-library-utils/schlib/autogen/connector/); LCSC: C37208; ki_fp_filters: Connector*:*_1x??_*
CN300 = -: LCSC: C379814; ki_fp_filters: DSUB*Female*
CN301 CN302 = -: LCSC: C5173302
CN500 = -: Part Number: 5-103639-3; LCSC: C306099; ki_fp_filters: Connector*:*_1x??_*
CN501 = -: Part: SJ1-3533NG; LCSC: C4992459; ki_fp_filters: Jack*
CN601 = -: Datasheet: https://www.intel.com/content/dam/www/public/us/en/documents/guides/power-supply-design-guide-june.pdf#page=33; Part: 39281243; LCSC: C114088; ki_fp_filters: *Mini?Fit*2x12*Vertical* *Mini?Fit*2x12*Horizontal*
CN900 CN901 = -: LCSC: C429965; ki_fp_filters: Connector*:*_2x??_*
CN_CASE1 = -: Description: Generic connector, double row, 02x04, odd/even pin numbering scheme (row 1 odd numbers, row 2 even numbers), script generated (kicad-library-utils/schlib/autogen/connector/); LCSC: C7430400; ki_fp_filters: Connector*:*_2x??_*
D200 D204 = -: Datasheet: https://assets.nexperia.com/documents/data-sheet/1N4148_1N4448.pdf; pART: 1N4148WSTR; LCSC: C118873; ki_fp_filters: D*DO?35*
D201 D202 D301 D400 = -: Datasheet: http://www.vishay.com/docs/88503/1n4001.pdf; LCSC: C460736; ki_fp_filters: D*DO?41*
D203 = -: LCSC: C2286; ki_fp_filters: LED* LED_SMD:* LED_THT:*
D205 = -: Description: Zener diode; LCSC: C2117; ki_fp_filters: TO-???* *_Diode_* *SingleDiode* D_*
D206-D212 = -: Datasheet: https://www.ti.com/lit/ds/symlink/esds452.pdf?ts=1721984995680&ref_url=https%253A%252F%252Fwww.ti.com%252Fproduct%252FESDS452%253Fbm-verify%253DAAQAAAAJ______nQhGVU8Z7eml6g06MJuArerdvJtlpRaKwiN17ps8vFamsVh9Deep4BlrW-_1vhdIBHtFgC600C9KSNvCvgF1TA6XVnmqO6NzUdcOnPB_IbBBz5PIgcb1iF26LLkd4hSzpXb7XP5O0ZJem4qGA-OWwlFOQ8t6R0Dwj4b2Mqz7D9PsKtEyen7EAoX2d8CCHMZSyWQK7JCx3bNlGbpJwrkKM8-R9gjxNQaPp_awuITtiI-ZY5aaGhGoeYUvxemcfvvUOgHLEny18MLiXg9qNxe5jWEjSKfZXhvgtOXClxiOJWKWTXdbh6_g_QH9Zz74bPT_3qNB1HY2y-YOkT0H6Eh-vV69KinIhE6w6QJUZMBf1w1Q; Description: ESD protection diode; LCSC: C37574382; ki_fp_filters: D*SOD?923*
F1 F2 = -: LCSC: C1972812; ki_fp_filters: *Fuse*
FB202 FB500-FB502 = -: LCSC: C2762183; ki_fp_filters: Inductor_* L_* *Ferrite*
FB300-FB302 = -: Part: ILHB1206ER750V; LCSC: C2762183; ki_fp_filters: Inductor_* L_* *Ferrite*
H1-H12 = -: ki_fp_filters: MountingHole*Pad*
J1 J3-J6 = -: Description: Generic connector, single row, 01x01, script generated; ki_fp_filters: Connector*:*_1x??_*
J11 = -: LCSC: C81276; ki_fp_filters: Connector*:*_1x??_*
J200 = -: LCSC: C124375; ki_fp_filters: Connector*:*_1x??_*
J201 J202 J207 J208 = -: LCSC: C49257; ki_fp_filters: Connector*:*_1x??_*
J203 = -: ki_fp_filters: Jumper* TestPoint*2Pads* TestPoint*Bridge*
J206 = -: Description: Jumper, 3-pole, both open; LCSC: C49257; ki_fp_filters: Jumper* TestPoint*3Pads* TestPoint*Bridge*
J209 = -: Description: Jumper, 3-pole, pins 1+2 closed/bridged; LCSC: C49257; ki_fp_filters: Jumper* TestPoint*3Pads* TestPoint*Bridge*
J210 = -: Description: Jumper, 2-pole, closed/bridged; LCSC: C124375; ki_fp_filters: Jumper* TestPoint*2Pads* TestPoint*Bridge*
J211 J409_TP0 = -: Description: Generic connector, single row, 01x02, script generated (kicad-library-utils/schlib/autogen/connector/); LCSC: C124375; ki_fp_filters: Connector*:*_1x??_*
J212 = -: Description: Generic connector, double row, 02x02, odd/even pin numbering scheme (row 1 odd numbers, row 2 even numbers), script generated (kicad-library-utils/schlib/autogen/connector/); LCSC: C66690; ki_fp_filters: Connector*:*_2x??_*
J303 = -: LCSC: C49257; ki_fp_filters: Jumper* TestPoint*3Pads* TestPoint*Bridge*
J712_TP0 = -: Description: Generic connector, single row, 01x01, script generated (kicad-library-utils/schlib/autogen/connector/); LCSC: C81276; ki_fp_filters: Connector*:*_1x??_*
